# Altium PCB pcb.PcbDoc (part 1 of 2) (continued)
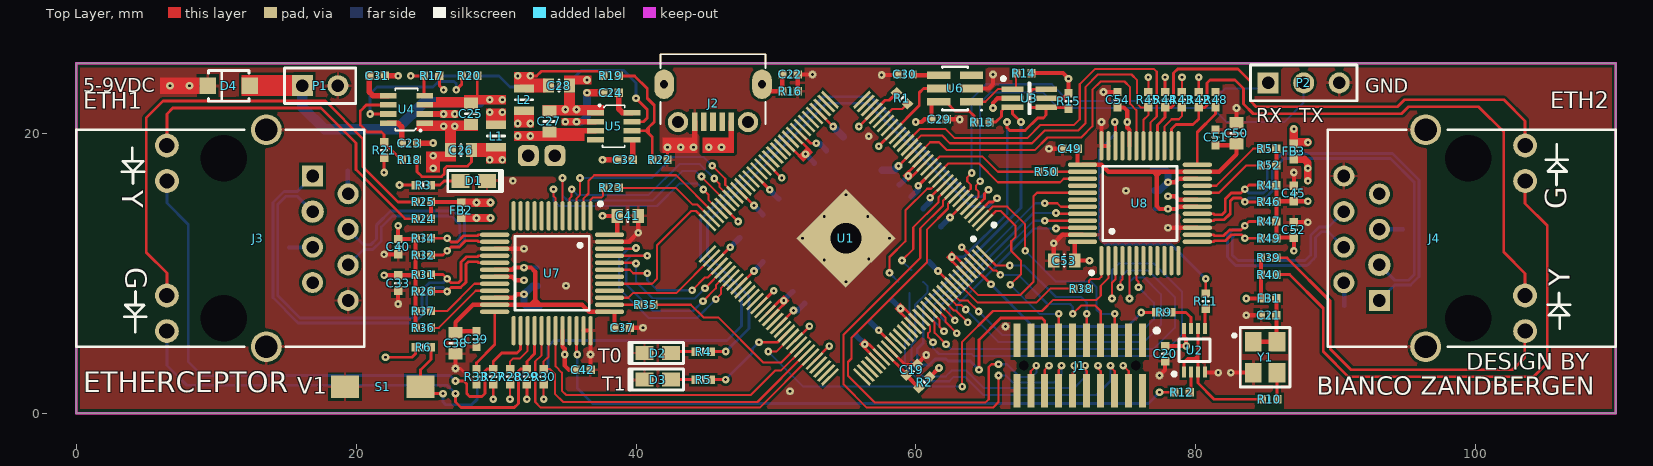
[diagram p0: Top Layer view]
## Footprints (in the part's own frame and the unit in brackets; to place one, negate y for a bottom-side part, rotate by r counter-clockwise, add the part's x,y. Pads: shape width x height; smd on the part's side, far side on the other; paste and mask are expansions set on the pad) (continued)
  round 2.95 hole 3.3 unplated: MH1(-5.715,10.54) MH2(5.715,10.54)
  silkscreen extent -7.75,0 7.75,20.58, body extent -8.13,-0.41 8.13,21.18, height 13.96
TACTILE_SW_6035_1 [mm] "Tactile switch SPST-NO 6mm x 3.5mm"
  rect 2x1.6 smd: 1(-2.7,0) 2(2.7,0)
  body extent -3.65,-1.75 3.65,1.75, height 5
TSQFP50P900X900-48M [mm] "Thin QFP, 48-Leads, Body 7x7mm, Pitch 0.5mm, IPC Low Density"
  oval 2.1x0.3 smd: 1(-4.1,2.75) 2(-4.1,2.25) 3(-4.1,1.75) 4(-4.1,1.25) 5(-4.1,0.75) 6(-4.1,0.25) 7(-4.1,-0.25) 8(-4.1,-0.75) 9(-4.1,-1.25) 10(-4.1,-1.75) 11(-4.1,-2.25) 12(-4.1,-2.75) 25(4.1,-2.75) 26(4.1,-2.25) 27(4.1,-1.75) 28(4.1,-1.25) 29(4.1,-0.75) 30(4.1,-0.25) 31(4.1,0.25) 32(4.1,0.75) 33(4.1,1.25) 34(4.1,1.75) 35(4.1,2.25) 36(4.1,2.75)
  oval 0.3x2.1 smd: 13(-2.75,-4.1) 14(-2.25,-4.1) 15(-1.75,-4.1) 16(-1.25,-4.1) 17(-0.75,-4.1) 18(-0.25,-4.1) 19(0.25,-4.1) 20(0.75,-4.1) 21(1.25,-4.1) 22(1.75,-4.1) 23(2.25,-4.1) 24(2.75,-4.1) 37(2.75,4.1) 38(2.25,4.1) 39(1.75,4.1) 40(1.25,4.1) 41(0.75,4.1) 42(0.25,4.1) 43(-0.25,4.1) 44(-0.75,4.1) 45(-1.25,4.1) 46(-1.75,4.1) 47(-2.25,4.1) 48(-2.75,4.1)
  silkscreen extent -5.09,-2.65 2.65,3.58, body extent -4.5,-4.5 4.5,4.5, height 1.57
US8 [mm]
  rect 0.8x0.3 smd: 1(-1.55,0.75) 2(-1.55,0.25) 3(-1.55,-0.25) 4(-1.55,-0.75) 5(1.55,-0.75) 6(1.55,-0.25) 7(1.55,0.25) 8(1.55,0.75)
  silkscreen extent -1.82,-1.1 0.8,1.57, body extent -1.6,-1.05 1.6,1.05, height 0.9
XMOS_LQFP_128_XEF216_512 [mm]
  rect 1.65x0.2 smd: 1(-7.8,6.2) 2(-7.8,5.8) 3(-7.8,5.4) 4(-7.8,5) 5(-7.8,4.6) 6(-7.8,4.2) 7(-7.8,3.8) 8(-7.8,3.4) 9(-7.8,3) 10(-7.8,2.6) 11(-7.8,2.2) 12(-7.8,1.8) 13(-7.8,1.4) 14(-7.8,1) 15(-7.8,0.6) 16(-7.8,0.2) 17(-7.8,-0.2) 18(-7.8,-0.6) 19(-7.8,-1) 20(-7.8,-1.4) 21(-7.8,-1.8) 22(-7.8,-2.2) 23(-7.8,-2.6) 24(-7.8,-3) 25(-7.8,-3.4) 26(-7.8,-3.8) 27(-7.8,-4.2) 28(-7.8,-4.6) 29(-7.8,-5) 30(-7.8,-5.4) 31(-7.8,-5.8) 32(-7.8,-6.2) 65(7.8,-6.2) 66(7.8,-5.8) 67(7.8,-5.4) 68(7.8,-5) 69(7.8,-4.6) 70(7.8,-4.2) 71(7.8,-3.8) 72(7.8,-3.4) 73(7.8,-3) 74(7.8,-2.6) 75(7.8,-2.2) 76(7.8,-1.8) 77(7.8,-1.4) 78(7.8,-1) 79(7.8,-0.6) 80(7.8,-0.2) 81(7.8,0.2) 82(7.8,0.6) 83(7.8,1) 84(7.8,1.4) 85(7.8,1.8) 86(7.8,2.2) 87(7.8,2.6) 88(7.8,3) 89(7.8,3.4) 90(7.8,3.8) 91(7.8,4.2) 92(7.8,4.6) 93(7.8,5) 94(7.8,5.4) 95(7.8,5.8) 96(7.8,6.2)
  rect 0.2x1.65 smd: 33(-6.2,-7.8) 34(-5.8,-7.8) 35(-5.4,-7.8) 36(-5,-7.8) 37(-4.6,-7.8) 38(-4.2,-7.8) 39(-3.8,-7.8) 40(-3.4,-7.8) 41(-3,-7.8) 42(-2.6,-7.8) 43(-2.2,-7.8) 44(-1.8,-7.8) 45(-1.4,-7.8) 46(-1,-7.8) 47(-0.6,-7.8) 48(-0.2,-7.8) 49(0.2,-7.8) 50(0.6,-7.8) 51(1,-7.8) 52(1.4,-7.8) 53(1.8,-7.8) 54(2.2,-7.8) 55(2.6,-7.8) 56(3,-7.8) 57(3.4,-7.8) 58(3.8,-7.8) 59(4.2,-7.8) 60(4.6,-7.8) 61(5,-7.8) 62(5.4,-7.8) 63(5.8,-7.8) 64(6.2,-7.8) 97(6.2,7.8) 98(5.8,7.8) 99(5.4,7.8) 100(5,7.8) 101(4.6,7.8) 102(4.2,7.8) 103(3.8,7.8) 104(3.4,7.8) 105(3,7.8) 106(2.6,7.8) 107(2.2,7.8) 108(1.8,7.8) 109(1.4,7.8) 110(1,7.8) 111(0.6,7.8) 112(0.2,7.8) 113(-0.2,7.8) 114(-0.6,7.8) 115(-1,7.8) 116(-1.4,7.8) 117(-1.8,7.8) 118(-2.2,7.8) 119(-2.6,7.8) 120(-3,7.8) 121(-3.4,7.8) 122(-3.8,7.8) 123(-4.2,7.8) 124(-4.6,7.8) 125(-5,7.8) 126(-5.4,7.8) 127(-5.8,7.8) 128(-6.2,7.8)
  rect 5x5 / inner rect 5x5 / far side rect 3x3 hole 2.2: 129(0,0)
  silkscreen extent -8.27,6.34 -6.28,6.92, body extent -8,-8.02 8.02,8, height 1.76

## Part data
C1 C2 C3 C4 C5 C6 C7 C8 C9 C10 C11 C12 C13 C14 C15 C16 C17 C18: library part Cap, "Capacitor"
C19 C20 C21 C22 C23 C24 C25 C26 C27 C28 C29 C30 C31 C32 C33 C34 C35 C36 C37 C38 C39 C40 C41 C42 C43 C44 C45 C46 C47 C48 C49 C50 C51 C52 C53 C54 C55 C56: "Capacitor"
D1 D2 D3: "SMD LED"
D4: library part "Diode Zener"
J1: library part XTAG2_CON, "XTAG2 Connector"
J2: library part "Molex Micro-USB 105017-1001", "Micro-USB B Receptacle with Flange, Bottom Mount, SMT, Lead-Free"
J3 J4: "Right Angle,RJ45-Keyed, Flange Mount PCB Jack"
P1: "Header, 2-Pin"
P2: "Header, 3-Pin"
R1 R2 R3 R4 R5 R6 R7 R8 R9 R10 R11 R12 R13 R14 R15 R16 R17 R18 R19 R20 R21 R22 R23 R24 R25 R26 R27 R28 R29 R30 R31 R32 R33 R34 R35 R36 R37 R38 R39 R40 R41 R42 R43 R44 R45 R46 R47 R48 R49 R50 R51 R52: "Resistor"
S1: "Switch"
U1: "XMOS xCORE200 Processor"
U2: "Tripple Buffer"
U3: "Dual Buffer (open drain output)"
U4 U5: "Buck converter"
U6: "Power on Reset controller 0.9V"
U7 U8: "PHYTER® Commercial Temperature Single Port 10/100 Mb/s Ethernet Physical Layer Transceiver, 48-pin LQFP"
Y1: library part oscillator, "Crystal Oscillator"

## Free pads (board coordinates)
  rrect50% 1.5x1.5 hole 0.9: 2(32.3,18.4) 2(34.2,18.4)

## Via types
v1: diameter 0.55, hole 0.2, Top Layer to Bottom Layer, 224 vias

## Nets (pads, with @x,y where several pads share a name; then routed paths per layer and width w, separated by ;. In a path a pad name is that pad's centre, name@x,y a point inside that pad or via, vN(x,y) a via of type N, cw(c..) or ccw(c..) an arc to the next point about the centre after c; other vN are vias at no path point)
1V0: C10.2 C11.2 C12.2 C13.2 C14.2 C15.2 C16.2 C17.2 C18.2 C28.2 L2.2 pad.2@34.2,18.4 R2.2 R19.2 U1.11 U1.16 U1.17 U1.24 U1.36 U1.41 U1.49 U1.56 U1.60 U1.73 U1.80 U1.81 U1.87 U1.101 U1.102 U1.120 U1.126 U6.5 | length 63.1
  Top Layer w0.2: v1(32.45,24.1) 32.9,24.1 33.225,24.425 37.325,24.425 R19.2@37.65,24.1 ; U1.60@46.232,14.763 v1(47.293,13.702) ; U1.73@47.363,9.106 v1(48.424,10.167) ; U1.56@47.363,15.894 v1(48.424,14.833) ; U1.80@49.343,7.126 50.262,8.045 ; U1.49@49.343,17.874 v1(50.404,16.813) ; U1.81@49.626,6.843 50.545,7.762 ; U1.87@51.323,5.146 v1(52.384,6.207) ; U1.41@51.606,20.137 52.454,19.288 v1(52.879,19.288) ; U1.36@53.02,21.551 v1(54.081,20.49) ; v1(56.343,4.934) 56.343,4.651 U1.101@57.263,3.732 ; 56.626,4.934 U1.102@57.546,4.015 ; v1(57.333,19.076) U1.24@58.394,20.137 60.233,21.975 60.233,22.894 60.538,23.2 U6.5@61.625,23.2 ; 59.455,16.672 v1(59.455,16.955) 59.455,17.238 U1.17@60.374,18.157 ; v1@59.596,16.813 U1.16@60.657,17.874 ; v1(61.01,15.399) U1.11@62.071,16.46 ; v1(61.576,10.167) U1.120@62.637,9.106 ; v1(63.273,11.864) U1.126@64.334,10.803
  Top Layer w0.3: R2.2@60.989,2.589 61.647,3.247 v1(61.647,3.237)
  Top Layer w1: L2.2@32.2,23.4 C28.2@33.4,23.4
  Mid-Layer 2 w0.55: v1(47.293,13.702) 47.823,13.172 ; v1(48.424,10.167) 48.954,10.697 ; v1(48.424,14.833) 48.954,14.303 ; v1(50.404,16.813) 50.934,16.283 ; v1(50.545,8.045) 51.076,8.576 ; v1(52.384,6.207) 52.914,6.737 ; v1(52.879,19.288) 53.409,18.758 ; v1(54.081,20.49) 54.611,19.96 ; 55.813,5.464 v1(56.343,4.934) 58.041,3.237 v1(61.647,3.237) ; 56.803,18.546 v1(57.333,19.076) ; 58.924,16.424 v1(59.455,16.955) ; 60.48,14.869 v1(61.01,15.399) ; 61.046,10.697 v1(61.576,10.167) ; 62.743,12.394 v1(63.273,11.864)
  Bottom Layer w0.4: v1(48.424,10.167) 49.061,10.804 C15.2@49.061,10.811 ; v1(48.424,14.833) 49.061,14.196 C14.2@49.061,14.189 ; v1(50.545,8.045) C16.2@51.186,8.686 ; v1(52.879,19.288) 53.091,19.288 53.586,18.793 C13.2@53.586,18.739 ; C17.2@55.689,5.561 55.716,5.561 v1(56.343,4.934) ; C12.2@58.814,16.314 v1(59.455,16.955) ; C11.2@60.514,14.614 61.01,15.11 v1(61.01,15.399) ; C18.2@60.95,10.8 60.95,10.793 v1(61.576,10.167)
  Bottom Layer w0.55: v1(54.081,20.49) 54.081,20.469 C10.2@54.795,19.755
  other v1: 31.55,24.1
3V3: C1.2 C2.2 C3.2 C4.2 C5.2 C6.2 C7.2 C8.2 C9.2 C20.2 C26.2 C29.2 C41.2 C42.2 C53.2 C54.2 FB1.1 FB2.1 FB3.1 L1.2 pad.2@32.3,18.4 R1.2 R3.2 R6.2 R13.2 R14.2 R15.2 R17.2 R18.2 R24.2 R25.2 R27.2 R28.2 R29.2 R30.2 R39.2 R40.2 R42.2 R43.2 R44.2 R45.2 U1.6 U1.14 U1.19 U1.29 U1.42 U1.44 U1.52 U1.67 U1.78 U1.83 U1.92 U1.105 U1.110 U1.111 U2.8 U3.5 U6.6 U7.32 U7.48 U8.32 U8.48 | length 90.6
  Top Layer w0.15: v1(31,1) R28.2@31,2.05 ; v1(33.4,1) R30.2@33.4,2.05 ; R45.2@76.6,22.95 v1(76.6,24) ; R43.2@79,22.95 v1(79,24)
  Top Layer w0.2: v1(22.1,4) 24,4 24.25,4.25 R6.2@24.25,4.7 ; v1(23.1,16.3) R3.2@24.25,16.3 ; R18.2@24.35,18.1 24.35,17.25 24.7,16.9 26.1,16.9 26.3,17.1 26.3,17.45 26.5,17.65 27.95,17.65 28.25,17.95 C26.2@28.25,18.8 ; R17.2@25.95,24.1 25.95,23.4 v1(26.25,23.1) ; v1(29.8,1) R27.2@29.8,2.05 ; v1(32.2,1) R29.2@32.2,2.05 ; U1.67@45.666,10.803 v1(46.727,11.864) ; U1.52@48.495,17.025 v1(49.555,15.965) ; U1.78@48.777,7.692 v1(49.838,8.752) ; U1.83@50.192,6.277 v1(51.252,7.338) ; U1.44@50.757,19.288 51.677,18.369 ; U1.42@51.323,19.854 52.384,18.793 ; U1.92@52.737,3.732 v1(53.798,4.793) ; v1(55.919,20.49) U1.29@56.98,21.551 57.793,22.364 58.086,22.364 R1.2@58.611,22.889 ; v1(57.333,5.924) U1.105@58.394,4.863 ; v1(58.748,17.662) U1.19@59.808,18.723 ; U1.110@59.808,6.277 58.889,7.197 v1(58.889,7.48) 59.172,7.48 U1.111@60.091,6.56 ; v1(60.162,16.248) U1.14@61.223,17.308 ; U6.6@61.625,22.25 62.15,22.25 62.8,21.6 63.8,21.6 64.15,21.25 R13.2@64.15,20.8 ; v1(62.425,13.985) U1.6@63.485,15.046 ; R44.2@77.8,22.95 v1(77.8,24) ; R42.2@80.2,22.95 v1(80.2,24)
  Top Layer w0.3: R24.2@25.35,13.9 R25.2@25.35,15.1 FB2.1@27.5,15.1 ; U7.32@34.75,5.9 34.75,4.75 34.9,4.6 v1(34.9,4.2) 34.9,3.4 35.2,3.1 C42.2@35.65,3.1 ; v1(37.6,14.1) C41.2@38.65,14.1 U7.48@38.65,12.8 ; v1(59.985,20.809) 60.409,20.809 60.601,21 C29.2@61.1,21 U6.6@61.1,22.258 ; R14.2@68.25,24.3 70.5,24.3 v1(70.9,23.9) R15.2@70.9,22.85 70.55,22.5 U3.5@69.3,22.5 ; U8.48@71.35,12.2 C53.2@71.35,10.9 v1(72.4,10.9) ; C54.2@74.4,21.85 74.85,21.85 75.1,21.6 v1(75.1,20.8) 75.1,20.4 75.25,20.25 U8.32@75.25,19.1 ; C20.2@77.8,4.85 77.85,4.8 v1(79.3,4.8) 79.3,5.3 79.15,5.45 U2.8@79.15,6.05 ; v1(83.6,8.2) FB1.1@84.65,8.2 ; FB1.1@84.65,8.25 R40.2@84.65,9.9 R39.2@84.65,11.1
  Top Layer w0.35: U6.6@61.625,22.25 U6.6@61.65,22.225
  Top Layer w0.55: pad.2@32,18.1 pad.2@32.3,18.4
  Top Layer w0.6: FB2.1@27.5,15.05 v1(29.6,15.05) ; v1(87,20.3) FB3.1@87,19.25 87.1,19.35 v1(88,19.35)
  Top Layer w1: C26.2@28.525,18.8 L1.2@29.8,18.8
  Bottom Layer w0.4: v1(46.727,11.864) 46.739,11.864 C6.2@47.411,12.536 ; v1(49.555,15.965) 49.555,15.945 C5.2@50.186,15.314 ; v1(51.252,7.338) 51.538,7.338 C7.2@52.036,7.836 ; v1(52.101,18.51) 52.736,17.875 C4.2@52.736,17.864 ; C8.2@56.689,6.561 56.696,6.561 v1(57.333,5.924) ; C9.2@58.239,8.111 58.258,8.111 v1(58.889,7.48) ; C3.2@59.664,15.464 60.162,15.962 v1(60.162,16.248) ; C2.2@61.789,13.339 62.425,13.975 v1(62.425,13.985)
  Bottom Layer w0.55: C1.2@57.605,17.355 58.441,17.355 v1(58.748,17.662)
  other v1: 28.6,15.05 29.55,18.1 30.45,18.1
3V3_PG: R17.1 U4.4 U5.7 | length 23.7
  Top Layer w0.2: v1(23.9,24.1) R17.1@24.85,24.1 24.85,22.725 U4.4@24.9,22.675 ; U5.7@39.7,20.825 40.525,20.825 40.8,21.1 40.8,21.7 v1(40,22.5)
  Bottom Layer w0.2: v1(23.9,24.1) 30.2,24.1 31,23.3 34.9,23.3 36.1,24.5 39.1,24.5 40,23.6 v1(40,22.5)
3V3A1: C33.2 C34.2 C35.2 C40.2 C43.2 C44.2 FB2.2 J3.2 J3.5 R26.1 R31.2 R32.1 R34.2 R36.1 R37.1 U7.22 | length 21.6
  Top Layer w0.2: R34.2@24.2,12.45 R34.2@24.25,12.5
  Top Layer w0.3: v1(22,9.85) C33.2@23,9.85 24.2,9.85 R31.2@24.25,9.9 ; v1(23,13.4) C40.2@23,12.45 R34.2@24.2,12.45 ; R36.1@24.25,6.1 R37.1@24.25,7.3 R26.1@24.25,8.7 R31.2@24.25,9.9 ; R34.2@24.25,12.5 R32.1@24.25,11.3 R31.2@24.25,9.9 ; U7.22@29.9,8.25 31.25,8.25 31.5,8.5 v1(32,8.5)
  Top Layer w0.6: FB2.2@27.5,13.95 v1(29.6,13.95)
  Bottom Layer w0.3: C35.2@15.2,11.85 16.875,11.85 J3.5@16.89,11.865 ; C34.2@19.4,17.35 19.4,15.705 J3.2@19.43,15.675
  Bottom Layer w0.5: C44.2@32.95,9.1 32.6,9.1 v1(32,8.5) 32,7.8 32.2,7.6 C43.2@33.05,7.6
  other v1: 28.6,13.95
3V3A2: C45.2 C46.2 C47.2 C52.2 C55.2 C56.2 FB3.2 J4.2 J4.5 R41.1 R46.2 R47.1 R49.2 R51.1 R52.1 U8.22 | length 21.9
  Top Layer w0.3: v1(78,16.5) 78.5,16.5 78.75,16.75 U8.22@80.1,16.75 ; R51.1@85.75,18.9 R52.1@85.75,17.7 R41.1@85.75,16.3 R46.2@85.75,15.1 ; v1(87,11.6) C52.2@87,12.55 85.8,12.55 R49.2@85.75,12.5 R47.1@85.75,13.7 R46.2@85.75,15.1 ; v1(88,15.15) C45.2@87,15.15 85.8,15.15 R46.2@85.75,15.1
  Top Layer w0.55: FB3.2@87,18.15 87.75,18.15 88,17.9 v1(88,17.5) v1(88,16.6)
  Bottom Layer w0.3: J4.2@90.57,9.325 90.6,9.295 C46.2@90.6,7.65 ; J4.5@93.11,13.135 93.125,13.15 C47.2@94.8,13.15
  Bottom Layer w0.5: C55.2@76.95,17.4 77.8,17.4 78,17.2 v1(78,16.5) 77.4,15.9 C56.2@77.05,15.9
ETH1_LED_G: J3.14 R29.1 U7.28 | length 35.2
  Top Layer w0.2: v1(27.1,1.4) 27.1,0.8 27.5,0.4 31.3,0.4 31.6,0.7 31.6,3 31.75,3.15 R29.1@32.2,3.15 32.2,3.7 32.75,4.25 U7.28@32.75,5.9
  Bottom Layer w0.2: J3.14@6.48,5.87 6.48,3.42 7.9,2 26.5,2 v1(27.1,1.4)
ETH1_LED_Y: J3.12 R27.1 U7.26 | length 42.7
  Top Layer w0.2: v1(27.1,2.3) 27.7,2.3 27.9,2.1 27.9,1.4 28.1,1.2 29,1.2 29.2,1.4 29.2,3 29.35,3.15 R27.1@29.8,3.15 29.8,3.7 30.4,4.3 31.5,4.3 31.75,4.55 U7.26@31.75,5.9
  Bottom Layer w0.2: J3.12@6.484,16.59 6.484,15.016 8,13.5 8,3.7 9,2.7 26.7,2.7 v1(27.1,2.3)
ETH1_MDC: U1.89 U7.31 | length 23.2
  Top Layer w0.15: U7.31@34.25,5.9 34.25,3.35 34.7,2.9 34.7,1.6 35,1.3 48.2,1.3 49.96,3.06 50.368,3.06 U1.89@51.889,4.58
ETH1_MDIO: R30.1 U1.90 U7.30 | length 24.9
  Top Layer w0.15: U7.30@33.75,5.9 33.75,4.05 33.4,3.7 R30.1@33.4,3.15 33.85,3.15 34.2,2.8 34.2,1.4 34.8,0.8 48.674,0.8 U1.90@52.172,4.298
ETH1_PHYCLK: R12.1 U7.34 | length 47.6
  Top Layer w0.2: U7.34@35.75,5.9 35.75,4.25 v1(35.8,4.2) ; v1(77.4,1.5) R12.1@78.45,1.5
  Bottom Layer w0.2: v1(35.8,4.2) 35.8,1.8 36.9,0.7 76.6,0.7 v1(77.4,1.5)
ETH1_RD_N: J3.6 R34.1 U7.13 | length 17.3
  Top Layer w0.2: R34.1@25.35,12.5 v1(26.5,12.5) 26.775,12.225 27.23,12.225 27.68,12.675 28.675,12.675 28.75,12.75 U7.13@29.9,12.75
  Bottom Layer w0.2: J3.6@19.43,10.595 20.525,11.69 21.19,11.69 21.8,12.3 21.8,13.3 22.6,14.1 26.805,14.1 27.4,13.505 27.4,12.525 27.1,12.225 26.775,12.225 v1(26.5,12.5) v1@26.5,12.425
ETH1_RD_P: J3.4 R32.2 U7.14 | length 18.6
  Top Layer w0.2: R32.2@25.35,11.3 26.2,11.3 v1(26.5,11.6) 26.775,11.875 27.375,11.875 27.615,12.115 27.825,12.325 28.675,12.325 28.75,12.25 U7.14@29.9,12.25
  Bottom Layer w0.2: J3.4@19.43,13.135 20.525,12.04 21.045,12.04 21.45,12.445 21.45,13.445 21.5,13.495 ; v1@26.5,11.675 v1(26.5,11.6) 26.775,11.875 27.245,11.875 27.75,12.38 27.75,13.65 26.95,14.45 22.455,14.45 21.505,13.5 ; 21.5,13.495 21.5,13.5 21.505,13.5 ; 21.5,13.495 21.505,13.5
ETH1_RST: U1.91 U7.29 | length 26.6
  Top Layer w0.15: U7.29@33.25,5.9 33.25,4.15 32.8,3.7 32.8,0.8 33.2,0.4 48.84,0.4 U1.91@52.454,4.015
ETH1_RXCLK: R35.1 U1.88 | length 12.6
  Top Layer w0.15: R35.1@41.25,7.75 43.911,7.75 44.818,6.843 45.878,6.843 49.096,3.626 50.368,3.626 U1.88@51.606,4.863
ETH1_RXD0: U1.68 U7.43 | length 9.5
  Top Layer w0.15: U7.43@38.1,10.25 39.55,10.25 39.8,10 v1(40.8,10) ; v1(44.004,8.788) 44.924,9.707 45.136,9.707 U1.68@45.949,10.52
  Bottom Layer w0.15: v1(40.8,10) 40.8,9.5 41.512,8.788 v1(44.004,8.788)
ETH1_RXD1: U1.69 U7.44 | length 10.8
  Top Layer w0.15: U7.44@38.1,10.75 39.95,10.75 v1(40,10.7) ; v1@44.888,8.964 44.959,8.964 U1.69@46.232,10.237
  Bottom Layer w0.15: v1(40,10.7) 40,9.4 41.2,8.2 44.195,8.2 v1(44.924,8.929)
ETH1_RXD2: U1.70 U7.45 | length 15.3
  Top Layer w0.15: U7.45@38.1,11.25 v1(40.8,11.25) ; v1(44.782,8.01) 45.702,8.929 45.702,9.141 U1.70@46.515,9.954
  Bottom Layer w0.15: v1(40.8,11.25) 39.65,11.25 39.3,10.9 39.3,9.2 41.2,7.3 44.072,7.3 v1(44.782,8.01)
ETH1_RXD3: U1.71 U7.46 | length 15.9
  Top Layer w0.15: U7.46@38.1,11.75 39.95,11.75 v1(40,11.8) ; v1(45.702,8.151) 46.055,8.505 46.055,8.929 U1.71@46.798,9.672
  Bottom Layer w0.15: v1(40,11.8) 39.5,11.8 38.8,11.1 38.8,8.9 40.9,6.8 44.35,6.8 v1(45.702,8.151)
ETH1_RXDV: U1.66 U7.39 | length 8.5
  Top Layer w0.15: U7.39@38.1,8.25 39.45,8.25 39.8,8.6 42.898,8.6 U1.66@45.383,11.086
ETH1_RXER: U1.64 U7.41 | length 10.9
  Top Layer w0.15: U7.41@38.1,9.25 41.15,9.25 41.5,9.6 41.5,12.011 43.934,14.445 44.287,14.445 U1.64@45.101,13.631
ETH1_TD_N: J3.3 R31.1 U7.16 | length 30.7
  Top Layer w0.2: R31.1@25.35,9.9 26.2,9.9 v1(26.5,9.6) 26.775,9.325 27.325,9.325 27.5,9.5 27.5,10.795 27.653,10.947 27.88,11.175 28.675,11.175 28.75,11.25 U7.16@29.9,11.25
  Bottom Layer w0.2: J3.3@16.89,14.405 15.795,15.5 15,15.5 14.4,14.9 14.4,8.4 16,6.8 24,6.8 24.7,7.5 24.7,8.795 25.23,9.325 26.225,9.325 v1(26.5,9.6)
ETH1_TD_P: J3.1 R26.2 U7.17 | length 31.9
  Top Layer w0.2: R26.2@25.35,8.7 v1(26.5,8.7) 26.775,8.975 27.47,8.975 27.85,9.355 27.85,10.65 28.025,10.825 28.675,10.825 28.75,10.75 U7.17@29.9,10.75
  Bottom Layer w0.2: J3.1@16.89,16.945 15.795,15.85 14.855,15.85 14.05,15.045 14.05,8.255 15.753,6.553 ; v1(26.5,8.7) 26.225,8.975 25.375,8.975 25.05,8.65 25.05,7.355 24.145,6.45 15.855,6.45 ; 15.753,6.553 15.855,6.45 ; 15.753,6.553 15.855,6.45
ETH1_TXCLK: R23.1 U1.63 | length 7.5
  Top Layer w0.15: R23.1@38.75,16.1 42.844,16.1 44.04,14.904 44.393,14.904 U1.63@45.383,13.914
ETH1_TXD0: U1.57 U7.3 | length 15.9
  Top Layer w0.15: U7.3@35.75,14.1 35.75,15.35 36,15.6 v1(36,16.8) ; v1(45.448,17.685) 46.373,16.76 46.373,16.318 U1.57@47.08,15.611
  Bottom Layer w0.15: v1(36,16.8) 41.1,16.8 42.6,18.3 44.833,18.3 v1(45.448,17.685)
ETH1_TXD1: U1.58 U7.4 | length 15.6
  Top Layer w0.15: U7.4@35.25,14.1 35.25,15.35 35.4,15.5 v1(35.4,16) ; v1(45.589,16.766) 45.949,16.406 45.949,16.177 U1.58@46.798,15.328
  Bottom Layer w0.15: v1(35.4,16) 35.8,15.6 40.9,15.6 43.1,17.8 44.555,17.8 v1(45.589,16.766)
ETH1_TXD2: U1.59 U7.5 | length 17.7
  Top Layer w0.15: U7.5@34.75,14.1 v1(34.75,16.8) ; v1@44.662,16.899 U1.59@46.515,15.046
  Bottom Layer w0.15: v1(34.75,16.8) 34.75,15.55 35.1,15.2 41.2,15.2 43.3,17.3 44.277,17.3 v1(44.67,16.907)
ETH1_TXD3: U1.61 U7.6 | length 16.5
  Top Layer w0.15: v1(34.1,16) 34.1,15.5 34.25,15.35 U7.6@34.25,14.1 ; v1(44.812,15.988) 45.171,15.628 45.171,15.258 U1.61@45.949,14.48
  Bottom Layer w0.15: v1(34.1,16) 34.1,15.2 34.5,14.8 41.5,14.8 43.124,16.424 44.375,16.424 v1(44.812,15.988)
ETH1_TXEN: U1.62 U7.2 | length 13
  Top Layer w0.15: U7.2@36.25,14.1 36.25,15.35 36.6,15.7 36.6,16.6 37,17 42.863,17 U1.62@45.666,14.197
ETH2_LED_G: J4.14 R44.1 U8.28 | length 35.7
  Top Layer w0.2: U8.28@77.25,19.1 77.25,20.6 77.8,21.15 R44.1@77.8,21.85 78.25,21.85 78.4,22 78.4,24.3 78.7,24.6 83,24.6 83.9,23.7 83.9,22.3 84.3,21.9 94.4,21.9 94.9,22.4 102,22.4 103.52,20.88 J4.14@103.52,19.13
ETH2_LED_Y: J4.12 R42.1 U8.26 | length 42.7
  Top Layer w0.2: U8.26@78.25,19.1 78.25,20.3 78.575,20.625 79.8,20.625 80.2,21.025 R42.1@80.2,21.85 80.65,21.85 80.8,22 80.8,23.6 81,23.8 82.8,23.8 83.4,23.2 83.4,22.1 84.1,21.4 94.7,21.4 95.2,21.9 100.2,21.9 102,20.1 102,11.5 103.516,9.984 J4.12@103.516,8.41
ETH2_MDC: U1.18 U8.31 | length 23.9
  Top Layer w0.15: U1.18@60.091,18.44 61.01,19.359 61.647,19.359 62.212,18.793 68.493,18.793 69.4,19.7 71.8,19.7 72.6,20.5 72.6,23.1 73.2,23.7 74.9,23.7 75.3,23.3 75.3,22.1 75.75,21.65 U8.31@75.75,19.1
ETH2_MDIO: R45.1 U1.20 U8.30 | length 26.1
  Top Layer w0.15: U1.20@59.525,19.005 60.374,19.854 61.859,19.854 62.425,19.288 68.288,19.288 69.2,20.2 71.6,20.2 72.1,20.7 72.1,23.3 73,24.2 75.4,24.2 75.8,23.8 75.8,22.1 76.05,21.85 R45.1@76.6,21.85 76.6,21.3 76.25,20.95 U8.30@76.25,19.1
ETH2_PHYCLK: R11.1 U8.34 | length 20.3
  Top Layer w0.2: v1(74.2,20.8) 74.25,20.75 U8.34@74.25,19.1 ; R11.1@80.7,8.55 v1(80.7,9.6)
  Bottom Layer w0.2: v1(74.2,20.8) 74.2,19.9 73.1,18.8 73.1,12.5 73.5,12.1 78.2,12.1 v1(80.7,9.6)
ETH2_RD_N: J4.6 R49.1 U8.13 | length 17.6
  Top Layer w0.2: U8.13@80.1,12.25 81.25,12.25 81.325,12.325 82.125,12.325 82.55,12.75 83.25,12.75 v1(83.5,12.5) R49.1@84.65,12.5
  Bottom Layer w0.2: v1(83.5,12.5) 83.225,12.775 82.8,12.775 82.6,12.575 82.6,11.3 83,10.9 87.8,10.9 88.2,11.3 88.2,12.7 88.81,13.31 89.475,13.31 J4.6@90.57,14.405
ETH2_RD_P: J4.4 R47.2 U8.14 | length 18.9
  Top Layer w0.2: U8.14@80.1,12.75 81.25,12.75 81.325,12.675 81.98,12.675 82.405,13.1 83.2,13.1 v1(83.5,13.4) 83.8,13.7 R47.2@84.65,13.7
  Bottom Layer w0.2: v1(83.5,13.4) 83.225,13.125 82.655,13.125 82.25,12.72 82.25,11.155 82.4,11.005 82.4,11 82.85,10.55 87.945,10.55 87.995,10.6 88.4,11.005 88.55,11.155 88.55,12.555 88.955,12.96 89.475,12.96 J4.4@90.57,11.865
ETH2_RST: U1.21 U8.29 | length 27.7
  Top Layer w0.15: U1.21@59.243,19.288 60.254,20.3 62.12,20.3 62.743,19.677 67.977,19.677 68.9,20.6 71.3,20.6 71.7,21 71.7,23.5 72.8,24.6 77,24.6 77.2,24.4 77.2,21.2 76.75,20.75 U8.29@76.75,19.1
ETH2_RXCLK: R50.1 U1.15 | length 8.6
  Top Layer w0.15: U1.15@60.94,17.591 61.682,18.334 64.766,18.334 65.85,17.25 R50.1@68.75,17.25
ETH2_RXD0: U1.114 U8.43 | length 17.9
  Top Layer w0.15: U1.114@60.94,7.409 61.682,6.666 61.682,6.171 v1(62,5.853) ; v1(69.2,15) 70.1,15 70.35,14.75 U8.43@71.9,14.75
  Bottom Layer w0.15: v1(62,5.853) 61.293,6.56 61.293,7.762 68.531,15 v1(69.2,15)
ETH2_RXD1: U1.115 U8.44 | length 18
  Top Layer w0.15: U1.115@61.223,7.692 62.106,6.808 62.106,6.525 v1(62.92,5.712) ; v1(70,14.3) 70.05,14.25 U8.44@71.9,14.25
  Bottom Layer w0.15: v1(62.92,5.712) 61.788,6.843 61.788,7.692 68.397,14.3 v1(70,14.3)
ETH2_RXD2: U1.116 U8.45 | length 15.1
  Top Layer w0.15: U1.116@61.505,7.975 62.778,6.702 v1(62.778,6.631) ; v1(69.2,13.75) U8.45@71.9,13.75
  Bottom Layer w0.15: v1(62.778,6.631) 62.389,7.02 62.389,7.727 68.412,13.75 v1(69.2,13.75)
ETH2_RXD3: U1.117 U8.46 | length 15.4
  Top Layer w0.15: U1.117@61.788,8.257 62.707,7.338 62.849,7.338 v1(63.697,6.49) ; v1(70,13.2) 70.05,13.25 U8.46@71.9,13.25
  Bottom Layer w0.15: v1(63.697,6.49) 62.92,7.267 62.92,7.692 68.428,13.2 v1(70,13.2)
ETH2_RXDV: U1.13 U8.39 | length 11.4
  Top Layer w0.15: U1.13@61.505,17.025 62.319,17.839 64.511,17.839 65.849,16.5 70.3,16.5 70.55,16.75 U8.39@71.9,16.75
ETH2_RXER: U1.122 U8.41 | length 15.8
  Top Layer w0.15: U1.122@63.202,9.672 64.44,8.434 67.434,8.434 68.4,9.4 68.4,15.5 68.65,15.75 U8.41@71.9,15.75
ETH2_TD_N: J4.3 R46.1 U8.16 | length 30.5
  Top Layer w0.2: U8.16@80.1,13.75 81.25,13.75 81.325,13.825 82.02,13.825 82.45,14.255 82.45,15.155 82.67,15.375 83.225,15.375 v1(83.5,15.1) R46.1@84.65,15.1
  Bottom Layer w0.2: v1(83.5,15.1) 83.775,15.375 84.97,15.375 85.45,15.855 85.45,17.35 85.9,17.8 86.3,18.2 93.905,18.2 95.6,16.505 95.6,9.9 95.2,9.5 94.205,9.5 J4.3@93.11,10.595
ETH2_TD_P: J4.1 R41.2 U8.17 | length 31.8
  Top Layer w0.2: U8.17@80.1,14.25 81.25,14.25 81.325,14.175 81.875,14.175 82.1,14.4 82.1,15.3 82.525,15.725 83.225,15.725 v1(83.5,16) 83.8,16.3 R41.2@84.65,16.3
  Bottom Layer w0.2: v1(83.5,16) 83.775,15.725 84.825,15.725 85.1,16 85.1,17.495 86.105,18.5 86.155,18.55 94.05,18.55 95.95,16.65 95.95,9.755 95.345,9.15 94.205,9.15 J4.1@93.11,8.055
ETH2_TXCLK: R38.1 U1.121 | length 9.4
  Top Layer w0.15: U1.121@62.92,9.389 64.405,7.904 68.604,7.904 69.6,8.9 R38.1@71.25,8.9
ETH2_TXD0: U1.112 U8.3 | length 35.2
  Top Layer w0.15: U1.112@60.374,6.843 61.01,6.207 61.01,5.853 60.869,5.712 60.869,5.429 v1(61.223,5.075) ; v1(74,8.2) 74,9.3 74.25,9.55 U8.3@74.25,10.9
  Bottom Layer w0.15: v1(61.223,5.075) 61.223,4.651 61.647,4.227 63.973,4.227 64.1,4.1 77.5,4.1 79,5.6 79,8.7 77,10.7 74.5,10.7 74,10.2 v1(74,8.2)